# KiCad board alpha-curISO.kicad_pcb (continued)
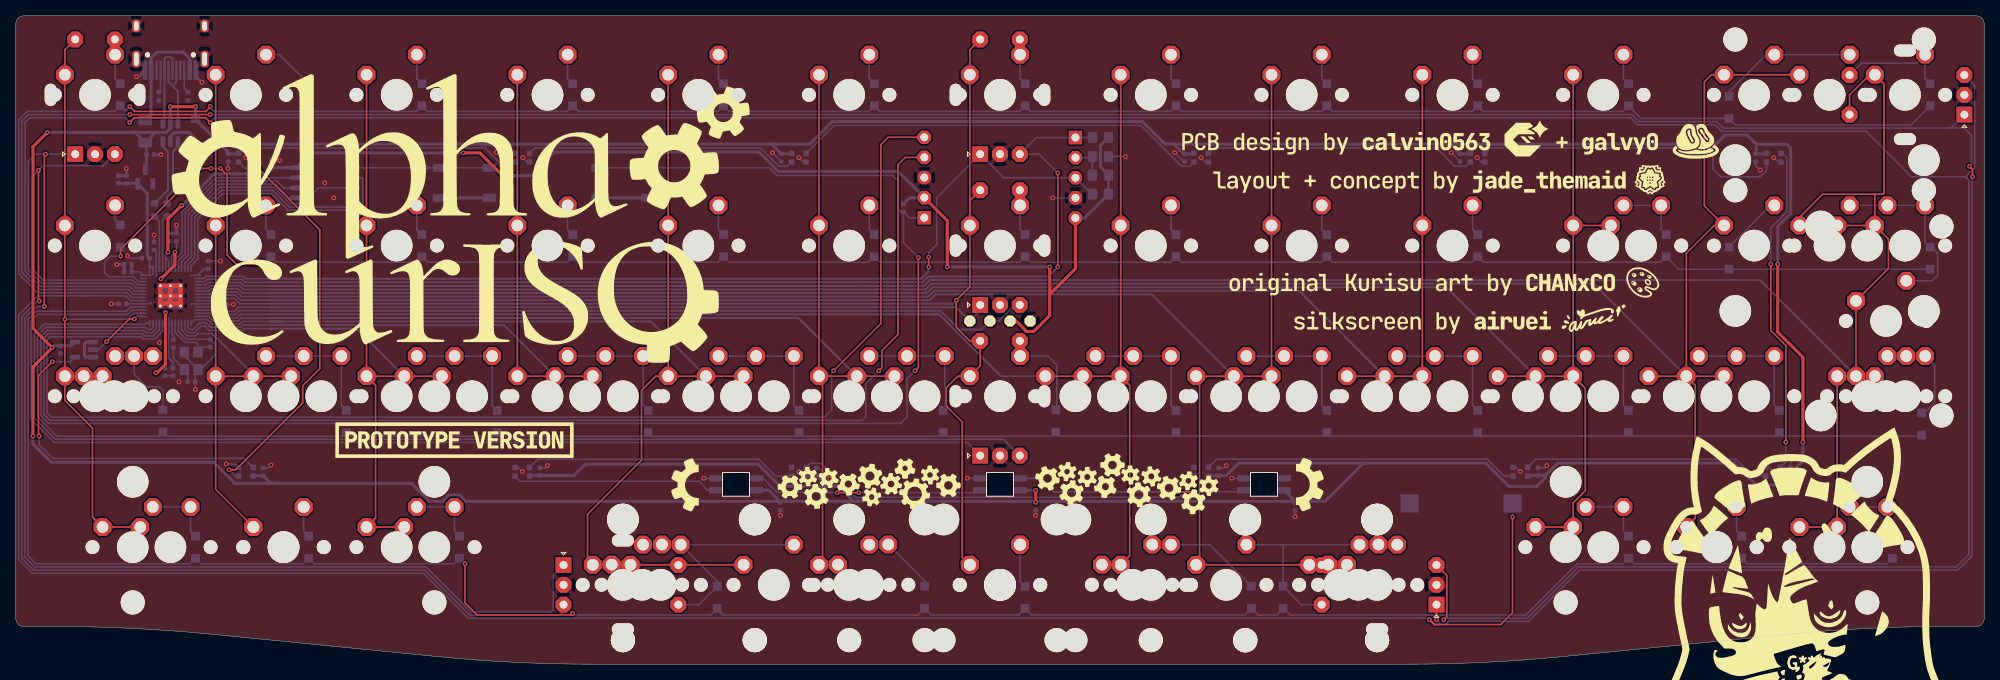
[diagram p0: board, top side]
## Footprints (pads in the part's own frame, mm; a bottom-side part is the same pattern mirrored in y, then rotated) (continued)
SOT-23
  rrect 1.475x0.6 smd: 1(-0.938,0.95) 2(-0.938,-0.95) 3(0.938,0)
SOT-23-6
  rrect 1.325x0.6 smd: 1(-1.137,0.95) 2(-1.137,0) 3(-1.137,-0.95) 4(1.137,-0.95) 5(1.137,0) 6(1.137,0.95)
SW_SPST_TL3342
  rect 1.7x1 smd: 1(-3.15,1.9) 1(3.15,1.9) 2(-3.15,-1.9) 2(3.15,-1.9)
TSOT-23-5
  rrect 1.325x0.6 smd: 1(-1.137,0.95) 2(-1.137,0) 3(-1.137,-0.95) 4(1.137,-0.95) 5(1.137,0.95)

## Nets
+1V1: C10.1 C12.1 C14.1 U1.23 U1.45 U1.50
+3V3: C3.1 C5.1 C6.1 C7.1 C8.1 C9.1 C11.1 C13.1 C15.1 C16.1 C17.1 C18.1 J1.2 J2.5 OL1.3 R3.1 U1.1 U1.10 U1.22 U1.33 U1.42 U1.43 U1.44 U1.48 U1.49 U2.8 U3.2 UR2.2 UR3.1
+5V: C4.1 C19.2 C20.2 C21.1 C22.1 C23.1 C24.1 C25.2 C26.1 C27.1 C28.1 C29.1 C30.2 C31.1 C32.1 C33.1 C34.1 D_PWR1.1 F1.2 LED1.1 LED2.1 LED3.1 LED4.4 LED5.4 LED6.4 LED7.4 LED8.4 LED9.4 LED10.4 LED11.4 LED12.4 LED13.4 LED14.4 LED15.4 U3.3 U4.5 U5.5
GND: C1.1 C2.1 C3.2 C4.2 C5.2 C6.2 C7.2 C8.2 C9.2 C10.2 C11.2 C12.2 C13.2 C14.2 C15.2 C16.2 C17.2 C19.1 C20.1 C21.2 C22.2 C23.2 C24.2 C25.1 C26.2 C27.2 C28.2 C29.2 C30.1 C31.2 C32.2 C33.2 C34.2 D_PWR1.2 J1.3 J2.4 LED1.3 LED2.3 LED3.3 LED4.2 LED5.2 LED6.2 LED7.2 LED8.2 LED9.2 LED10.2 LED11.2 LED12.2 LED13.2 LED14.2 LED15.2 LS1.2 OL1.4 R4.2 R5.2 SW27.1 SW38.2 SW_rotary1.C SW_rotary2.C SW_rotary3.C SW_rotary4.C SW_rotary5.C SW_rotary6.C SW_rotary7.C U1.19 U1.57 U2.4 U3.1 U4.2 U5.1 U5.3 UR1.2 USB1.1 USB1.12 USB1.13 Y1.2 Y1.4
VBUS: F1.1 USB1.2 USB1.11
/D_+: R1.2 U1.47
/D_-: R2.2 U1.46
/rp2040 components/CC1: R4.1 USB1.4
/rp2040 components/CC2: R5.1 USB1.10
/rp2040 components/USB_BOOT: R6.1 SW27.2
/rp2040 components/XTAL_O: C1.2 R7.1 Y1.1
Audio: LS1.1 U1.34
COL0: SW1.1 SW14.1 SW27(1.5)1.1 SW27(1.25)1.1 SW27(ortho)1.1 SW39.1 SW39(1.5)1.1 SW_rotary1.S2 U1.30
COL1: SW2.1 SW15.1 SW28.1 SW28(1.5stagger)1.1 SW28(ortho)1.1 SW40.1 SW40(3)1.1 U1.18
COL2: SW3.1 SW16.1 SW29.1 SW29(1.5stagger)1.1 SW29(ortho)1.1 SW41.1 SW41(1.5)1.1 U1.17
COL3: SW4.1 SW17.1 SW30.1 SW30(1.5stagger)1.1 SW30(ortho)1.1 U1.16
COL4: SW5.1 SW18.1 SW31.1 SW31(1.5stagger)1.1 SW31(ortho)1.1 SW42(1)1.1 SW42(1.5)1.1 SW42(1.25)1.1 SW42(3)1.1 SW_rotary5.S2 U1.15
COL5: SW6.1 SW19.1 SW32.1 SW32(1.5stagger)1.1 SW32(ortho)1.1 SW43(1.75)1.1 SW43(2)1.1 U1.14
COL6: SW7.1 SW20.1 SW44(3)1.1 SW44(4)1.1 SW44(6)1.1 SW50(ortho)1.1 SW_rotary3.S2 SW_rotary4.S2 SW_rotary7.S2 U1.9
COL7: SW8.1 SW21.1 SW33.1 SW33(1.5stagger)1.1 SW33(ortho)1.1 SW45(1.75)1.1 SW45(2)1.1 U1.13
COL8: SW9.1 SW22.1 SW34.1 SW34(1.5stagger)1.1 SW34(ortho)1.1 SW46(1)1.1 SW46(1.5)1.1 SW46(1.25)1.1 SW46(3)1.1 SW_rotary6.S1 U1.8
COL9: SW10.1 SW23.1 SW35.1 SW35(1.5stagger)1.1 SW35(ortho)1.1 U1.7
COL10: SW11.1 SW24.1 SW24(1.5)1.1 SW36.1 SW36(1.5stagger)1.1 SW36(ortho)1.1 SW47.1 SW47(1.5)1.1 U1.6
COL11: SW12.1 SW12(2)1.1 SW25.1 SW37.1 SW37(1.5stagger)1.1 SW37(ortho)1.1 SW48.1 SW48(3)1.1 U1.5
COL12: SW13.1 SW26.1 SW26(1.5)1.1 SW26(2)1.1 SW26(ISO)1.1 SW38(1.5)1.1 SW38(1.25)1.1 SW38(ortho)1.1 SW49.1 SW49(1.5)1.1 SW_rotary2.S2 U1.4
CS: R6.2 U1.56 U2.1
D_N: R2.1 U4.3
D_P: R1.1 U4.1
D_USB_N: U4.4 USB1.5 USB1.7
D_USB_P: U4.6 USB1.6 USB1.8
PD2: J2.1 SW_rotary3.B U1.3 UR2.1
PD5: J2.3 SW_rotary3.A U1.2 UR3.2
QSPI_CLK: U1.52 U2.6
R1_A: SW_rotary1.A SW_rotary5.A U1.38
R1_B: SW_rotary1.B SW_rotary5.B U1.39
R2_A: SW_rotary2.A SW_rotary6.A U1.36
R2_B: SW_rotary2.B SW_rotary6.B U1.37
R5_A: SW_rotary7.A U1.31
R5_B: SW_rotary7.B U1.28
R_col6: D34.2 SW46(1)1.2 SW46(1.5)1.2 SW46(1.25)1.2 SW46(3)1.2 SW_rotary6.S2
R_row1: D1.2 SW1.2 SW_rotary1.S1
R_row2: D46.2 SW13.2 SW_rotary2.S1
R_row3: D25.2 SW7.2 SW_rotary3.S1
R_row4: D26.2 SW20.2 SW_rotary4.S1
R_row5: D19.2 SW42(1)1.2 SW42(1.5)1.2 SW42(1.25)1.2 SW42(3)1.2 SW_rotary5.S1
R_row7: D50.2 SW50(ortho)1.2 SW_rotary7.S1
RESET: J1.1 R3.2 SW38.1 U1.26
rgb indicators: LED1.4 LED15.1
RGB MCU: U1.29 U5.2
rgb underglow: LED10.3 U5.4
ROW0: D1.1 D5.1 D9.1 D13.1 D16.1 D20.1 D25.1 D27.1 D31.1 D35.1 D38.1 D42.1 D46.1 U1.35
ROW1: D2.1 D6.1 D10.1 D14.1 D17.1 D21.1 D26.1 D28.1 D32.1 D36.1 D39.1 D43.1 D47.1 U1.40
ROW2: D3.1 D7.1 D11.1 D15.1 D18.1 D22.1 D29.1 D33.1 D37.1 D40.1 D44.1 D48.1 D50.1 U1.27
ROW3: D4.1 D8.1 D12.1 D19.1 D23.1 D24.1 D30.1 D34.1 D41.1 D45.1 D49.1 U1.32
SCL: OL1.2 SW_rotary4.B U1.12
SD0: U1.53 U2.5
SD1: U1.55 U2.2
SD2: U1.54 U2.3
SD3: U1.51 U2.7
SDA: OL1.1 SW_rotary4.A U1.11
SWCLK: J1.5 U1.24
SWD: J1.4 U1.25
XTAL_IN: C2.2 U1.20 Y1.3
XTAL_OUT: R7.2 U1.21
Net-(D2-A): D2.2 SW14.2
Net-(D3-A): D3.2 SW27(1.5)1.2 SW27(1.25)1.2 SW27(ortho)1.2
Net-(D4-A): D4.2 SW39.2 SW39(1.5)1.2
Net-(D5-A): D5.2 SW2.2
Net-(D6-A): D6.2 SW15.2
Net-(D7-A): D7.2 SW28.2 SW28(1.5stagger)1.2 SW28(ortho)1.2
Net-(D8-A): D8.2 SW40.2 SW40(3)1.2
Net-(D9-A): D9.2 SW3.2
Net-(D10-A): D10.2 SW16.2
Net-(D11-A): D11.2 SW29.2 SW29(1.5stagger)1.2 SW29(ortho)1.2
Net-(D12-A): D12.2 SW41.2 SW41(1.5)1.2
Net-(D13-A): D13.2 SW4.2
Net-(D14-A): D14.2 SW17.2
Net-(D15-A): D15.2 SW30.2 SW30(1.5stagger)1.2 SW30(ortho)1.2
Net-(D16-A): D16.2 SW5.2
Net-(D17-A): D17.2 SW18.2
Net-(D18-A): D18.2 SW31.2 SW31(1.5stagger)1.2 SW31(ortho)1.2
Net-(D20-A): D20.2 SW6.2
Net-(D21-A): D21.2 SW19.2
Net-(D22-A): D22.2 SW32.2 SW32(1.5stagger)1.2 SW32(ortho)1.2
Net-(D23-A): D23.2 SW43(1.75)1.2 SW43(2)1.2
Net-(D24-A): D24.2 SW44(3)1.2 SW44(4)1.2 SW44(6)1.2
Net-(D27-A): D27.2 SW8.2
Net-(D28-A): D28.2 SW21.2
Net-(D29-A): D29.2 SW33.2 SW33(1.5stagger)1.2 SW33(ortho)1.2
Net-(D30-A): D30.2 SW45(1.75)1.2 SW45(2)1.2
Net-(D31-A): D31.2 SW9.2
Net-(D32-A): D32.2 SW22.2
Net-(D33-A): D33.2 SW34.2 SW34(1.5stagger)1.2 SW34(ortho)1.2
Net-(D35-A): D35.2 SW10.2
Net-(D36-A): D36.2 SW23.2
Net-(D37-A): D37.2 SW35.2 SW35(1.5stagger)1.2 SW35(ortho)1.2
Net-(D38-A): D38.2 SW11.2
Net-(D39-A): D39.2 SW24.2 SW24(1.5)1.2
Net-(D40-A): D40.2 SW36.2 SW36(1.5stagger)1.2 SW36(ortho)1.2
Net-(D41-A): D41.2 SW47.2 SW47(1.5)1.2
Net-(D42-A): D42.2 SW12.2 SW12(2)1.2
Net-(D43-A): D43.2 SW25.2
Net-(D44-A): D44.2 SW37.2 SW37(1.5stagger)1.2 SW37(ortho)1.2
Net-(D45-A): D45.2 SW48.2 SW48(3)1.2
Net-(D47-A): D47.2 SW26.2 SW26(1.5)1.2 SW26(2)1.2 SW26(ISO)1.2
Net-(D48-A): D48.2 SW38(1.5)1.2 SW38(1.25)1.2 SW38(ortho)1.2
Net-(D49-A): D49.2 SW49.2 SW49(1.5)1.2
Net-(J2-Pin_2): C18.2 J2.2 UR1.1
Net-(LED1-DOUT): LED1.2 LED2.4
Net-(LED2-DOUT): LED2.2 LED3.4
Net-(LED4-DOUT): LED4.1 LED5.3
Net-(LED5-DOUT): LED5.1 LED6.3
Net-(LED6-DOUT): LED6.1 LED7.3
Net-(LED7-DOUT): LED7.1 LED8.3
Net-(LED8-DOUT): LED8.1 LED9.3
Net-(LED10-DOUT): LED10.1 LED11.3
Net-(LED11-DOUT): LED4.3 LED11.1
Net-(LED12-DIN): LED9.1 LED12.3
Net-(LED12-DOUT): LED12.1 LED13.3
Net-(LED13-DOUT): LED13.1 LED14.3
Net-(LED14-DOUT): LED14.1 LED15.3

Pads without a net: LED3 2; U1 41; USB1 3 9

## Via types
v1: diameter 0.6, hole 0.3, Top to Bottom, 112 vias

## Routing (per net, layer and track width the routed paths; a pad name or vN(x,y) marks a point on that pad's centre or on a via; arc(x,y) is an arc through that point)
+1V1: length 26.5
  Top w0.381: v1(18.89,44.43) 18.89,37.87 17.84,36.82 v1(17.68,36.82) ; v1(18.32,48.68) 20.1,50.46 v1(20.1,52.06)
  Bottom w0.2: U1.50 19.73,51.69 v1(20.1,52.06) 20.3,52.26 C12.1 ; 18.87,37.44 18.87,41.84 18.93,41.89 U1.23 ; C10.1 17.73,52.07 U1.45 17.73,49.12 17.81,49.03 ; v1(17.68,36.82) 18.26,37.4 C14.1
+3V3: length 213.2
  Top w0.381: 130.59,46.85 v1(130.59,50.19) ; 130.59,46.85 130.71,46.85 133.82,49.96 J2.5 ; 130.59,46.85 130.59,44.06 128.55,42.02 127.67,42.02 126.33,43.36 OL1.3 ; v1(56.51,64.6) 58.61,64.6 61.5,61.71 v1(62.74,61.71) ; v1(20.94,57.97) 19.21,56.24 v1(19.21,52.06) ; v1(117.63,50.19) 117.63,56.05 J1.2
  Bottom w0.2: 14.33,45.53 U1.33 17,45.53 17.18,45.71 ; 18.93,51.32 18.93,51.77 v1(19.21,52.06) 19.28,52.13 C15.1 ; 18.93,51.32 19.33,50.92 U1.49 ; 18.93,51.32 U1.48 18.93,49.29 ; 16.89,50.61 16.89,49.29 17.05,49.14 17.04,49.13 U1.42 15.66,49.56 C8.1 ; 16.89,50.61 16.89,51.3 ; 16.89,50.61 16.89,50.4 U1.44 17.33,49.26 17.3,49.24 ; C17.1 23.79,49.95 U1.1 22.17,49.13 22.08,49.03 ; 19.33,43.79 U1.22 19.33,41.73 19.27,41.67 19.27,38.68 19.84,38.11 C9.1 ; C13.1 25.63,45.53 U1.10 22.18,45.53 22.13,45.48
  Bottom w0.381: v1(117.63,50.19) 118.43,50.19 118.43,50.19 v1(130.59,50.19) ; C5.1 15.33,60.75 U3.2 16.6,59.47 16.6,51.58 16.89,51.3 ; R3.1 112.9,58.95 J1.2 111.45,62.23 96.33,62.23 93.86,64.7 67.99,64.7 65,61.71 v1(62.74,61.71) ; v1(20.94,57.97) 21.09,57.97 25.07,61.95 31.54,61.95 C3.1 32.32,62.73 33.94,62.73 ; UR2.2 136.99,65.53 136.99,62.82 C18.1 138,61.74 UR3.1 134.98,56.38 J2.5 ; 33.94,62.73 U2.8 35.46,62.73 37.33,64.6 v1(56.51,64.6) ; 33.94,62.73 34.98,62.73 ; C16.1 C8.1
+5V: length 672.3
  Top w0.381: v1(2.14,28.82) 2.14,37.53 v1(4.6,39.99) 2.17,42.43 2.17,65.38 v1(3.96,67.18) ; v1(19.52,70.44) v1(22.7,70.44) ; v1(222.53,50.53) 222.53,41.96 225.71,38.78 v1(225.71,28.05) ; v1(128.81,21.96) v1(128.81,20.47)
  Bottom w0.2: v1(128.81,20.47) 128.7,20.58 128.19,20.58
  Bottom w0.381: 14.77,67.18 15.07,67.18 F1.2 ; 14.77,67.18 17.63,67.18 ; 14.77,67.18 v1(3.96,67.18) ; 170.57,25.4 185.63,25.4 188.57,22.47 192.05,22.47 193.18,23.59 193.18,23.85 ; 170.57,25.4 154.46,25.4 152.89,23.83 C29.1 150.69,23.83 LED13.4 ; 170.57,25.4 170.21,25.4 165.38,20.58 162.48,20.58 ; 103.66,22.5 96.52,22.5 93.76,25.26 71.91,25.26 70.5,23.85 C31.1 64.98,23.85 LED15.4 ; 103.66,22.5 103.88,22.5 105.8,20.58 106.09,20.58 ; 103.66,22.5 102.45,22.5 C30.2 99.88,23.82 LED14.4 ; 180.66,65.71 146.27,65.71 146.27,65.71 ; 180.66,65.71 214.73,65.71 215.86,66.84 218.67,66.84 219.83,65.69 ; 180.66,65.71 181.17,65.71 C25.2 183.63,64.48 LED7.4 ; 106.09,20.58 104.6,20.58 104.6,20.57 97.87,20.57 ; 106.09,20.58 161.08,20.58 ; LED6.4 148.72,64.48 C24.1 147.5,64.48 146.27,65.71 ; 96.15,20.92 96.5,20.57 97.17,20.57 ; 96.15,20.92 96.55,20.52 C32.1 96.72,20.57 97.17,20.57 ; 96.15,20.92 95.1,21.97 LED1.1 ; 3.48,26.51 4.48,25.51 24.99,25.51 27.66,22.85 33.02,22.85 ; 3.48,26.51 2.14,27.85 ; 3.48,26.51 2.14,27.85 ; v1(4.6,39.99) 4.83,40.22 C19.2 7.01,40.22 U5.5 ; 224.88,24.31 224.46,23.89 C27.1 222.98,23.89 LED9.4 ; 224.88,24.31 224.88,24.88 225.71,25.7 v1(225.71,28.05) ; 224.88,24.31 224.88,22.95 224.55,22.62 219.82,22.62 217.04,25.4 194.73,25.4 193.18,23.85 ; v1(128.81,21.96) 128.8,21.97 LED2.1 ; C34.1 161.57,20.58 161.14,21.02 ; C34.1 161.4,20.58 161.08,20.58 ; C34.1 161.75,20.58 161.85,20.58 ; 97.17,20.57 97.87,20.57 ; 162.48,20.58 161.08,20.58 ; 162.48,20.58 161.85,20.58 ; F1.2 16.51,65.74 C4.1 16.51,62.71 U3.3 ; F1.2 17.63,67.18 ; 94.93,65.71 95.44,65.71 C23.1 97.91,64.48 LED5.4 ; 94.93,65.71 60.01,65.71 ; 94.93,65.71 100.28,65.71 103.12,68.55 142.29,68.55 145.13,65.71 146.27,65.71 ; 97.87,20.57 56.83,20.57 56.03,21.38 54.7,21.38 53.9,20.58 52.23,20.58 49.96,22.85 33.02,22.85 ; 193.18,23.85 C28.1 191.03,23.85 LED12.4 ; 60.01,65.71 60.65,65.71 C22.1 62.98,64.48 LED4.4 ; 60.01,65.71 25.81,65.71 ; 33.02,22.85 32.2,22.85 C20.2 30.03,23.82 LED10.4 ; v1(22.7,70.44) D_PWR1.1 25.81,65.71 ; 161.85,20.58 161.58,20.58 161.14,21.02 ; 25.81,65.71 26.83,64.69 C21.1 28.07,64.48 LED11.4 ; 161.14,21.02 LED3.1 ; 219.83,65.69 223.72,65.69 223.72,65.67 224.17,65.21 224.17,56.93 222.53,55.3 v1(222.53,50.53) ; 219.83,65.69 219.83,64.56 C26.1 221.04,64.48 LED8.4 ; 17.63,67.18 18.99,67.18 19.52,67.72 U4.5 v1(19.52,70.44) ; 2.14,27.85 v1(2.14,28.82)
GND: length 113.5
  Top w0.6: U1.57 19.2,45.58 18.57,45.58 18.57,45.58 U1.57 U1.57 U1.57 ; U1.57 U1.57 ; U1.57 19.85,45.58 20.48,45.58 U1.57 U1.57 U1.57 ; U1.57 U1.57
  Bottom w0.2: C11.2 v1(12.06,45.52) ; J2.4 v1(130.97,58.92) ; v1(152.88,25.1) 152.56,24.79 C29.2 ; v1(140.14,64.12) 140.11,64.15 UR1.2 ; v1(184.56,64) 185.11,63.45 LED7.2 ; 189.11,24.86 189.49,24.86 v1(190.02,24.33) ; C7.2 14.39,51.3 v1(14.09,51.6) ; C27.2 224.15,25.73 v1(224.31,25.9) ; v1(222.03,64) 222.58,63.45 LED8.2 ; v1(98.9,64) 99.45,63.45 LED5.2 ; 121.7,23.48 120.19,23.48 v1(120.18,23.49) ; v1(22.69,34.71) 22.67,34.73 22.67,36.9 Y1.4 ; v1(86.9,23.48) 86.91,23.47 LED1.3 ; v1(32.23,25.16) 31.84,24.78 C20.1 ; v1(220.32,62.43) 219.74,63.01 C26.2 ; Y1.4 23.3,37.23 25.18,39.1 25.18,40.39 24.57,41 C2.1 24.54,41.06 21.52,41.06 20.52,42.06 U1.19 ; Y1.4 22.99,37.26 21.29,38.96 Y1.2 ; LED11.2 29.6,63.45 v1(29.05,64) ; C28.2 193.06,24.81 v1(193.36,25.1) ; 26.55,45.45 v1(27.46,45.45) ; v1(102.79,23.44) 101.45,24.78 C30.1 ; v1(146.37,64.63) 147.49,63.52 C24.2 ; v1(64.04,64) 64.59,63.45 LED4.2 ; C10.2 17.45,54.21 v1(17.46,54.21) ; LED10.2 27.71,25.29 v1(26.58,25.29) ; v1(60.69,64.68) 61.86,63.52 C22.2 ; C21.2 26.83,62.67 v1(26.79,62.64) ; v1(153.58,23.49) 153.6,23.48 155.1,23.48 ; C17.2 v1(25.84,50.91) ; v1(67.15,25.1) 66.86,24.81 C31.2 ; v1(221.93,24.37) 221.44,24.86 LED9.2 ; v1(63.97,24.33) 63.44,24.86 LED15.2 ; 128.81,19.48 v1(128.81,18.78) ; 96.55,19.48 v1(96.55,18.78) ; v1(95.56,64.62) 96.66,63.52 C23.2 ; v1(149.7,64) 150.25,63.45 LED6.2 ; v1(181.28,64.62) 182.39,63.52 C25.1 ; 161.57,19.36 v1(161.57,18.66) ; C14.2 C9.2
  Bottom w0.381: v1(15.22,74.23) 15.49,74.23 USB1.1 16.18,74.92 ; C15.2 C12.2 20.3,55.46 v1(20.29,55.46) ; C4.2 18.31,64.38 v1(18.32,64.37) ; v1(23.49,73.52) 22.75,74.26 USB1.12 ; v1(13.97,62.63) C6.2 C5.2 ; v1(22.7,64.42) D_PWR1.2 22.7,66.38 21.91,67.17 20.03,67.17 19.52,66.67 U4.2 ; U5.3 8.85,38.79 8.67,38.98 8.67,40.5 8.85,40.69 U5.1 ; SW38.2 SW38.2 ; SW27.1 SW27.1 ; v1(33.33,63.65) 33.32,63.65 C3.2 ; 13.72,50.49 12.81,50.49 ; 13.68,50.49 13.68,49.56
  vias: v1(12.76,50.49) v1(18.15,40.61) v1(20.6,35.67) v1(39.02,60.82) v1(40.16,58.92) v1(98.9,24.31)
VBUS: length 15.2
  Bottom w0.381: USB1.11 21.98,76.49 21.14,77.33 17.81,77.33 17.08,76.59 USB1.2 17.08,69.42 F1.1
/D_+: length 6.9
  Bottom w0.2: U1.47 18.52,56.06 19.02,56.56 R1.2
/D_-: length 6.8
  Bottom w0.2: U1.46 18.12,55.95 R2.2
/rp2040 components/CC1: length 2.9
  Bottom w0.2: R4.1 18.27,72.46 USB1.4
/rp2040 components/CC2: length 3
  Bottom w0.2: USB1.10 21.27,72.72 R5.1
/rp2040 components/USB_BOOT: length 8
  Bottom w0.2: R6.1 53.52,62.72 SW27.2 SW27.2
/rp2040 components/XTAL_O: length 5.1
  Bottom w0.2: 21.71,35.67 21.71,36.82 Y1.1 19.89,38.63 R7.1
Audio: length 257.4
  Top w0.2: 179.86,5.01 187.55,5.01 189.03,6.49 v1(189.03,18.6) ; 179.86,5.01 179.13,5.01 v1(178.53,5.61) 178.53,5.56 ; 179.86,5.01 179.18,5.01 178.63,5.56
  Bottom w0.2: 9.11,46.53 13.89,46.53 14.49,45.93 U1.34 ; 9.11,46.53 8.54,46.53 ; 9.11,46.53 8.54,46.53 ; v1(189.03,18.6) 189.03,20.31 LS1.1 ; v1(178.53,5.61) 178.33,5.81 177.48,5.81 ; 8.54,46.53 2.76,46.53 0.35,44.12 0.35,13.22 2.07,11.49 51.47,11.49 57.15,5.81 177.48,5.81 ; 177.48,5.81 178.43,5.81
COL0: length 83.9
  Top w0.2: 6.19,36.37 10.95,36.37 ; 6.19,36.37 SW14.1 SW1.1 6.19,77.62 SW_rotary1.S2 ; 6.19,36.37 6.19,33.32 9.68,29.83 9.68,18.59 SW39.1 SW39(1.5)1.1
  Bottom w0.2: v1(6.19,43.58) 14.1,43.58 14.85,44.33 U1.30
COL1: length 81.4
  Top w0.2: SW40.1 25.24,22.09 25.24,36.37 ; 25.24,36.37 SW15.1 SW2.1 ; 25.24,36.37 34.77,36.37
  Bottom w0.2: U1.18 20.93,42.22 21.67,41.48 22.71,41.48 23,41.76 24.8,41.76 24.92,41.64
  Bottom w0.25: 24.92,41.64 30,36.56 30,36.37
COL2: length 104.5
  Top w0.2: 44.29,36.37 45.44,35.22 45.44,18.47 SW41(1.5)1.1 SW41.1 ; 44.29,36.37 53.82,36.37 ; 44.29,36.37 SW3.1
  Bottom w0.2: U1.17 21.33,42.39 21.84,41.88 22.55,41.88 23.36,42.69 23.91,42.69 24.43,42.16 28.61,42.16 28.84,42.39 32.17,42.39
  Bottom w0.25: 32.4,42.39 32.05,42.39 ; 32.4,42.39 32.17,42.39 ; 32.4,42.39 35.72,42.39 35.72,42.39 43.03,42.39 49.05,36.37
COL3: length 99.2
  Top w0.2: 72.87,36.37 63.34,36.37 SW4.1
  Bottom w0.2: U1.16 21.73,42.55 22,42.28 22.38,42.28 23.24,43.13 24.03,43.13 24.6,42.56 28.44,42.56 28.72,42.84 32.03,42.84 ; 32.32,42.82 32.35,42.84
  Bottom w0.25: 32.03,42.84 33.5,42.84 ; 33.5,42.84 32.35,42.84 ; 33.5,42.84 61.63,42.84 68.1,36.37
COL4: length 167
  Top w0.2: SW42(3)1.1 75.27,12.56 SW42(1.25)1.1 72.88,12.57 SW42(1)1.1 72.2,13.22 72.2,18.95 79.02,25.77 79.02,34.6 80.8,36.37 82.39,36.37 ; SW5.1 82.39,36.37 ; 82.39,36.37 91.91,36.37
  Bottom w0.2: U1.15 22.56,43.53 24.2,43.53 24.77,42.96 28.28,42.96 28.61,43.29 32.29,43.29
  Bottom w0.25: 33.08,43.29 32.16,43.29 ; 33.08,43.29 32.29,43.29 ; 33.08,43.29 33.75,43.29 ; 33.75,43.29 80.23,43.29 87.15,36.37 ; 33.75,43.29 32.02,43.29
COL5: length 160.9
  Top w0.2: SW43(1.75)1.1 103.82,12.56 SW43(2)1.1 101.88,13 101.88,35.93 101.44,36.37 SW6.1 ; SW32(1.5stagger)1.1 SW32(ortho)1.1
  Bottom w0.2: 32.03,43.74 32.01,43.72 28.45,43.72 28.1,43.36 24.93,43.36 24.37,43.93 U1.14
  Bottom w0.25: 32.03,43.74 98.85,43.74 SW32.1
COL6: length 174.9
  Top w0.2: SW20.1 120.49,47.68 v1(118.78,45.96) 118.78,42.53 120.46,40.85 SW_rotary7.S2 121.8,37.7 SW50(ortho)1.1 118.98,36.39 117.51,34.91 117.51,32.63 119.53,30.61 119.53,13.53 SW44(4)1.1 ; SW20.1 120.49,58.57 SW_rotary4.S2 ; SW20.1 SW7.1 120.49,77.62 SW_rotary3.S2
  Bottom w0.2: U1.9 24.88,45.93 25.16,46.22 27.59,46.22 28.26,45.54 32,45.54
  Bottom w0.25: v1(118.78,45.96) 118.36,45.54 32,45.54
COL7: length 200.6
  Top w0.2: 139.54,36.37 130.01,36.37 ; 139.54,36.37 SW21.1 SW8.1 ; 139.54,36.37 140.68,35.23 140.68,13.7 SW45(2)1.1 137.19,12.56 SW45(1.75)1.1
  Bottom w0.2: 116.62,44.19 120.62,40.19 ; 116.62,44.19 120.08,40.73 ; 116.62,44.19 115.57,44.19 ; 116.62,44.19 116.25,44.19 ; 120.08,40.73 120.62,40.19 ; 120.08,40.73 124.42,36.39 ; 120.62,40.19 124.42,36.39 ; 124.42,36.39 SW33(1.5stagger)1.1 ; U1.13 24.53,44.33 25.1,43.76 27.93,43.76 28.36,44.19 32.05,44.19
  Bottom w0.25: 115.57,44.19 32.05,44.19 ; 115.57,44.19 116.32,44.19 ; 115.57,44.19 115.87,44.19 ; 117.19,43.62 116.62,44.19 115.87,44.19 ; 116.25,44.19 115.87,44.19
COL8: length 229.1
  Top w0.2: SW46(1.25)1.1 165.73,12.56 SW46(3)1.1 149.51,13 149.51,35.93 149.06,36.37 158.59,36.37 SW22.1 SW9.1 ; SW46(1.25)1.1 163.37,12.57 SW46(1.5)1.1 ; SW46(1.25)1.1 168.1,12.57 SW46(1)1.1
  Bottom w0.2: 32.07,45.99 28.38,45.99 27.76,46.62 25,46.62 24.71,46.33 U1.8
  Bottom w0.25: 153.83,36.37 143.48,46.72 116.17,46.72 115.44,45.99 44.19,45.99 32.07,45.99
COL9: length 202.7
  Top w0.2: 168.11,36.37 177.64,36.37 SW23.1 SW10.1
  Bottom w0.2: 32.03,46.44 28.49,46.44 27.92,47.02 24.83,47.02 24.54,46.73 U1.7
  Bottom w0.25: 32.03,46.44 101.88,46.44 115.25,46.44 115.98,47.17 162.08,47.17 172.88,36.37
COL10: length 251.7
  Top w0.2: 196.69,36.37 187.16,36.37 ; 196.69,36.37 198.23,34.83 198.23,21.92 196.69,20.38 SW47(1.5)1.1 SW47.1 ; 196.69,36.37 SW24.1 ; SW11.1 SW24.1 ; SW24.1 SW24(1.5)1.1
  Bottom w0.2: 32.03,46.89 28.61,46.89 28.09,47.42 24.66,47.42 24.38,47.13 U1.6
  Bottom w0.25: 32.03,46.89 114.08,46.89 115.07,46.89 115.8,47.62 180.68,47.62 191.93,36.37
COL11: length 276.3
  Top w0.2: 206.22,36.37 215.74,36.37 ; SW12(2)1.1 SW12.1 214.15,74.47 213.26,73.59 213.26,57.9 SW25.1 214.49,55.42 210.98,51.91 210.98,36.37 212.12,35.23 212.12,18.46 SW48.1
  Bottom w0.2: 32.02,47.34 28.72,47.34 28.25,47.82 24.49,47.82 24.21,47.53 U1.5
  Bottom w0.25: 32.02,47.34 114.84,47.34 114.88,47.34 115.61,48.07 199.28,48.07 210.98,36.37
COL12: length 309.1
  Top w0.2: SW38(1.25)1.1 232.41,38.63 232.41,38.63 SW26(ISO)1.1 236.51,50 236.51,53.71 SW26.1 ; SW38(1.5)1.1 230.03,32.32 230.06,32.29 230.06,30.55 230.03,30.52 SW49.1 SW49(1.5)1.1 ; SW26.1 234.79,59.36 234.76,59.39 ; SW26.1 230.06,55.42 ; 234.76,59.39 228.21,59.39 225.26,56.44 SW26(2)1.1 ; 234.76,59.39 235.83,59.39 235.94,59.49 235.94,73.32 SW13.1 234.16,74.47 231.6,71.92 SW_rotary2.S2 ; 234.79,36.37 230.03,36.37 ; 232.41,36.4 232.44,36.37
  Bottom w0.2: 32.03,47.79 28.84,47.79 28.42,48.22 24.32,48.22 24.03,47.93 U1.4
  Bottom w0.25: 32.03,47.79 114.69,47.79 115.42,48.52 220.29,48.52 232.44,36.37
CS: length 44
  Bottom w0.2: U1.56 22.12,50.34 22.99,51.21 22.99,56.35 26.1,59.46 32.27,59.46 34.37,57.35 43.87,57.35 44.25,57.73 44.25,62.44 43.97,62.72 ; R6.2 43.97,62.72 ; 43.97,62.72 42.18,62.72
D_N: length 8.8
  Bottom w0.25: 19.21,59.89 19.21,64.76 18.58,65.39 U4.3
  Bottom w0.254: R2.1 19.21,59.89
D_P: length 8.9
  Bottom w0.254: U4.1 20.48,65.39 19.97,64.88 ; 19.97,64.88 19.84,64.76 19.84,59.81 19.11,59.08 R1.1 ; 19.97,64.88 20.35,65.27
D_USB_N: length 10.9
  Bottom w0.254: U4.4 18.77,68.51 USB1.5 18.77,76.52 18.95,76.7 19.59,76.7 19.77,76.51 USB1.7
D_USB_P: length 9.4
  Bottom w0.254: U4.6 20.48,72.38 19.78,73.08 ; 19.78,73.08 19.27,73.58 USB1.6 ; 19.78,73.08 20.27,73.57 USB1.8
PD2: length 137.4
  Top w0.2: v1(131.6,62.05) v1(131.6,50.19)
  Bottom w0.2: v1(131.6,62.05) 129.22,64.43 SW_rotary3.B 128.9,66.54 J2.1 UR2.1 ; 32.03,48.24 28.95,48.24 28.58,48.62 24.15,48.62 23.87,48.33 U1.3
  Bottom w0.25: v1(131.6,50.19) 130.39,48.97 115.24,48.97 114.51,48.25 106.2,48.25 106.2,48.24 32.03,48.24
PD5: length 127.2
  Top w0.2: v1(115.29,51.42) v1(115.29,50.19)
  Bottom w0.2: v1(115.29,51.42) 115.29,52 116.3,53.01 116.3,58.93 SW_rotary3.A 124.78,61.46 J2.3 135.89,59.39 UR3.2 ; U1.2 23.7,48.73 23.99,49.02 28.75,49.02 29.07,48.69 32.1,48.69 32.1,48.7
  Bottom w0.25: 32.44,48.7 32.44,48.69 32.01,48.69 ; 32.44,48.7 114.32,48.7 115.29,49.66 v1(115.29,50.19) ; 32.44,48.7 32.1,48.7
QSPI_CLK: length 23.5
  Bottom w0.2: U1.52 20.52,51.02 21.39,51.89 21.39,57.02 25.43,61.06 32.94,61.06 33.81,60.19 U2.6
R1_A: length 164.2
  Top w0.2: v1(3.75,64.43) 3.6,64.29 v1(3.6,45.18)
  Bottom w0.2: SW_rotary5.A 67.88,11.22 67.88,6.91 67.57,6.61 57.48,6.61 51.8,12.29 2.4,12.29 1.14,13.55 1.15,43.72 2.61,45.18 v1(3.6,45.18) ; U1.38 15.16,47.53 14.56,48.13 3.27,48.13 1.57,49.82 1.57,63.55 2.46,64.43 4.09,64.43 ; 4.09,64.43 SW_rotary1.A ; 4.09,64.43 3.75,64.43 v1(3.75,64.43)
R1_B: length 160.8
  Top w0.2: v1(2.95,45.88) 2.86,45.97 v1(2.86,62.41)
  Bottom w0.2: U1.39 15.32,47.93 14.72,48.53 3.43,48.53 1.97,49.99 1.97,61.49 3.46,62.98 11.05,62.98 SW_rotary1.B ; v1(2.95,45.88) 2.74,45.88 0.75,43.88 0.74,13.38 2.24,11.89 51.63,11.89 57.31,6.21 68.74,6.21 69.18,6.65 SW_rotary5.B
R2_A: length 412.7
  Top w0.2: v1(246.75,62.9) 247.13,62.52 v1(247.13,61.57) ; v1(24.55,69.44) 24.54,69.44 14.4,69.44 v1(14.38,69.46) ; SW_rotary6.A 179.42,5.61 v1(179.43,5.61)
  Bottom w0.2: 244.18,67.73 215.6,67.73 214.79,68.55 205.03,68.55 204.14,69.44 199.29,69.44 199.29,69.44 24.55,69.44 v1(24.55,69.44) ; 244.18,67.73 246.06,67.73 247,66.79 247,63.15 v1(246.75,62.9) ; 244.18,67.73 244.4,67.73 SW_rotary2.A ; U1.36 14.82,46.73 14.23,47.33 2.93,47.33 0.77,49.5 0.77,68.61 1.59,69.44 14.36,69.44 v1(14.38,69.46) ; v1(179.43,5.61) 180.03,5.01 180.58,5.01 180.98,5.41 191.05,5.41 197.53,11.89 245.26,11.89 247.06,13.7 247.06,61.51 v1(247.13,61.57)
R2_B: length 423.3
  Top w0.2: SW_rotary6.B 180.72,11.22 180.72,6 v1(180.33,5.61) ; v1(14.38,68.44) 14.98,69.04 23.95,69.04 v1(24.54,68.44)
  Bottom w0.2: SW_rotary2.B 247.4,73.13 247.4,62.7 246.28,61.58 ; U1.37 14.99,47.13 14.39,47.73 3.1,47.73 1.17,49.66 1.17,68.44 1.77,69.04 13.78,69.04 v1(14.38,68.44) ; v1(180.33,5.61) 180.53,5.81 190.89,5.81 197.37,12.29 245.09,12.29 246.66,13.86 246.66,61.2 246.28,61.58 ; 246.28,61.58 239.43,61.58 233.67,67.33 215.43,67.33 214.62,68.15 204.86,68.15 203.97,69.04 203.74,69.04 203.74,69.04 25.14,69.04 v1(24.54,68.44)
R5_A: length 148.9
  Bottom w0.2: U1.31 14.68,44.73 14.13,44.18 2.74,44.18 1.95,43.38 1.94,30.92 4.86,28.01 120.14,28.01 SW_rotary7.A
R5_B: length 152.2
  Bottom w0.2: SW_rotary7.B 124.74,28.41 5.02,28.41 2.34,31.09 2.35,41.73 3.57,42.95 16.33,42.95 16.49,43.12 16.9,43.12 U1.28
R_col6: length 30.1
  Bottom w0.2: 160.05,15.1 D34.2 162.36,7.52 SW_rotary6.S2 ; 160.05,15.1 SW46(1.5)1.2 SW46(1)1.2 ; 160.05,15.1 SW46(3)1.2
R_row1: length 5.9
  Bottom w0.2: SW_rotary1.S1 12.5,77.05 SW1.2 12.54,73.97 D1.2
R_row2: length 14.6
  Bottom w0.2: D46.2 241.14,73.97 SW13.2 240.06,75.93 233.1,75.93 SW_rotary2.S1
R_row3: length 5.9
  Bottom w0.2: D25.2 126.84,73.97 SW7.2 126.8,77.05 SW_rotary3.S1
R_row4: length 5.9
  Bottom w0.2: D26.2 126.84,54.92 SW20.2 126.8,58 SW_rotary4.S1
R_row5: length 32.1
  Bottom w0.2: SW42(3)1.2 81.62,15.1 SW42(1.25)1.2 81.6,15.1 SW42(1)1.2 ; SW42(1.5)1.2 88.58,10.5 D19.2 86.27,7.52 SW_rotary5.S1
R_row7: length 12.8
  Bottom w0.2: SW_rotary7.S1 126.8,38.97 SW50(ortho)1.2 130.38,38.93 131.48,37.83 131.48,32.25 D50.2
RESET: length 209.2
  Top w0.2: v1(113.57,37.07) 113.98,37.48 113.98,51.38 v1(113.98,51.39)
  Bottom w0.2: R3.2 112.11,53.26 v1(113.98,51.39) ; R3.2 111.79,57.14 111.41,57.52 111.41,61.07 110.74,61.74 96.13,61.74 95.15,62.72 SW38.1 SW38.1 ; R3.2 112.84,56.41 J1.1 ; U1.26 17.73,42.39 17.21,41.88 16.43,41.88 16.16,42.15 3.94,42.15 3.14,41.35 3.14,31.42 4.15,30.41 111.73,30.41 112.55,31.23 112.55,36.06 v1(113.57,37.07)
rgb indicators: length 26.1
  Bottom w0.2: LED1.4 87.39,21.97 86.26,23.11 63.7,23.11 LED15.1
RGB MCU: length 8.1
  Top w0.2: v1(11.46,40.75) 14.32,43.62 14.97,43.62
  Bottom w0.2: v1(11.46,40.75) 10.44,39.74 U5.2 ; v1(14.98,43.61) 15.3,43.93 U1.29
rgb underglow: length 42.6
  Top w0.2: v1(4.6,38.21) 2.86,36.48 2.86,28.9 v1(2.95,28.82)
  Bottom w0.2: v1(2.95,28.82) 2.95,27.73 4.68,26 28.82,26 LED10.3 ; v1(4.6,38.21) 6.9,38.21 U5.4
ROW0: length 287.4
  Top w0.2: v1(24.54,70.47) 24.54,70.37 24.01,69.84 15.02,69.84 v1(14.38,70.47)
  Bottom w0.2: U1.35 14.66,46.33 14.06,46.93 2.77,46.93 0.37,49.33 0.37,68.78 1.43,69.84 12.48,69.84 13.17,70.53 D1.1 13.75,69.96 13.87,69.96 v1(14.38,70.47) ; v1(24.54,70.47) 24.54,70.35 25.05,69.84 36.29,69.84 D5.1 37.68,69.84 50.58,69.84 D9.1 51.97,69.84 69.63,69.84 D13.1 71.02,69.84 88.68,69.84 D16.1 90.07,69.84 107.73,69.84 D20.1 109.12,69.84 126.78,69.84 D25.1 128.17,69.84 145.83,69.84 D27.1 147.22,69.84 164.88,69.84 D31.1 166.27,69.84 183.93,69.84 D35.1 185.32,69.84 202.98,69.84 D38.1 205.26,68.95 D42.1 217.19,68.13 239.37,68.13 D46.1
ROW1: length 261
  Top w0.2: v1(24.64,62.64) 23.45,62.64 13.24,52.42 v1(13.24,51.55) ; v1(31.02,50.79) 30.76,50.53 27.84,50.53 26.7,51.68 26.7,61.77 v1(25.84,62.64)
  Bottom w0.2: D47.1 D43.1 210.03,49.9 D39.1 207.74,50.79 185.32,50.79 D36.1 183.93,50.79 166.27,50.79 D32.1 164.88,50.79 147.22,50.79 D28.1 145.83,50.79 128.17,50.79 D26.1 126.78,50.79 109.12,50.79 D21.1 107.73,50.79 90.07,50.79 D17.1 88.68,50.79 71.02,50.79 D14.1 69.63,50.79 51.97,50.79 D10.1 50.58,50.79 32.92,50.79 D6.1 31.53,50.79 v1(31.02,50.79) ; v1(24.64,62.64) v1(25.84,62.64) ; 13.18,52.69 13.18,51.61 v1(13.24,51.55) 11.97,51.55 11.21,50.79 11.21,49.46 11.72,48.95 14.87,48.95 15.49,48.33 U1.40
ROW2: length 269.6
  Bottom w0.2: D48.1 240.57,28.82 223.17,28.82 D44.1 222.28,28.82 204.12,28.82 D40.1 203.23,28.82 185.07,28.82 184.63,29.26 D37.1 184.18,28.82 166.02,28.82 D33.1 165.13,28.82 146.97,28.82 146.53,29.26 D29.1 146.08,28.82 131.85,28.82 D50.1 130.84,28.81 117.57,28.81 D22.1 116.68,28.82 116.24,28.82 116.23,28.81 99.35,28.81 D18.1 98.45,28.81 80.3,28.81 D15.1 79.4,28.81 61.25,28.81 D11.1 60.35,28.81 42.33,28.81 42.32,28.82 42.19,28.82 D7.1 41.3,28.81 19.47,28.81 19.46,28.82 19.08,28.82 D3.1 18.06,28.81 5.25,28.81 5.24,28.82 5.18,28.82 2.74,31.25 2.75,41.56 3.74,42.55 16.32,42.55 16.6,42.28 17.05,42.28 17.33,42.55 U1.27
ROW3: length 298.5
  Top w0.2: v1(56.73,12.69) 56.73,7.74 58.25,6.22 70.14,6.22 v1(70.32,6.41)
  Bottom w0.2: v1(70.32,6.41) 70.52,6.21 73.66,6.21 ; v1(56.73,12.69) D12.1 55.34,12.69 37.68,12.69 D8.1 36.29,12.69 23.39,12.69 D4.1 22.01,12.69 2.57,12.69 1.54,13.71 1.55,43.55 2.58,44.58 13.97,44.58 14.52,45.13 U1.32 ; D49.1 236.32,12.69 218.66,12.69 D45.1 217.27,12.69 204.37,12.69 D41.1 202.98,12.69 197.2,12.69 190.72,6.21 160.94,6.21 160.12,7.03 D34.1 160.05,6.97 159.29,6.21 156.88,6.21 156.05,7.03 D30.1 155.23,6.21 128.3,6.21 D24.1 126.65,6.21 115.6,6.21 114.78,7.03 D23.1 113.95,6.21 89.31,6.21 88.58,6.94 D19.1 87.76,6.21 73.66,6.21 ; 73.66,6.21 71.16,6.21
SCL: length 106.5
  Bottom w0.2: SW_rotary4.B 126.18,45.38 124.16,43.36 OL1.2 121.95,42.28 ; U1.12 24.7,44.73 25.26,44.16 27.76,44.16 28.26,44.67 32.03,44.67 ; 32.31,44.62 32.34,44.64 ; 32.1,44.66 32.11,44.64
  Bottom w0.25: 121.95,42.28 119.17,42.28 116.8,44.64 32.11,44.64
SD0: length 23.2
  Bottom w0.2: U1.53 20.93,50.85 21.79,51.72 21.79,56.85 25.6,60.66 32.78,60.66 34.52,58.92 U2.5
